# KiCad board Duet2.kicad_pcb
title: Duet 2; date: 2023-04-06; rev: 1.06; company: Duet3D; note: CERN OHL 1.2
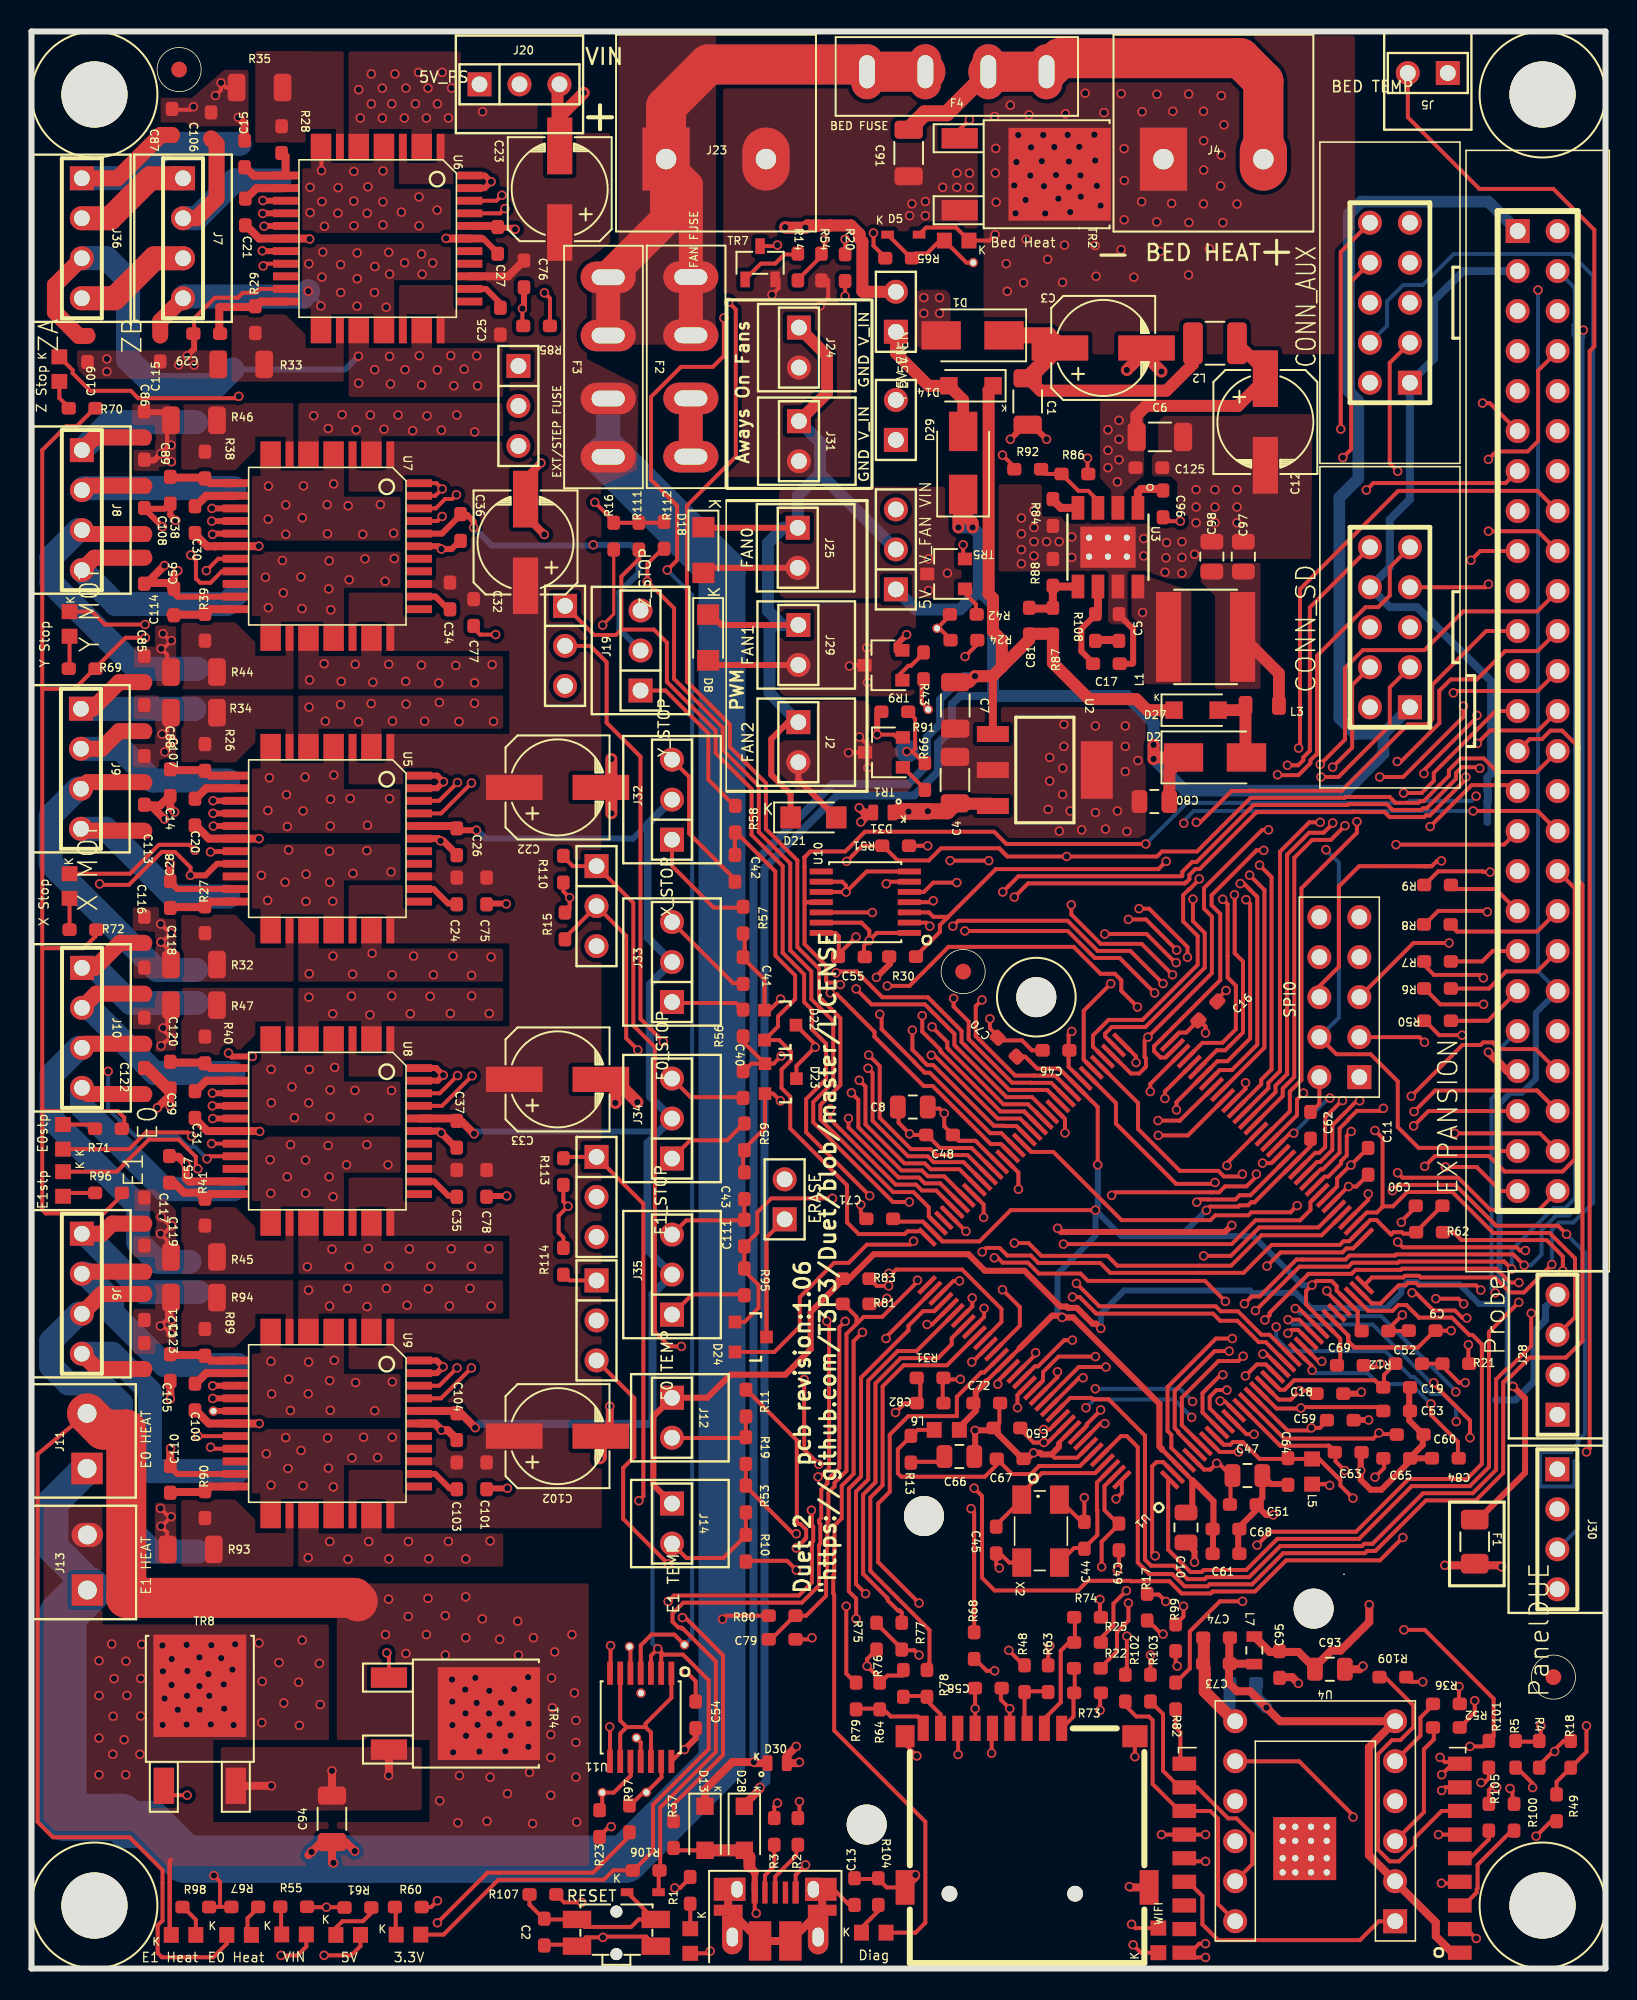
[diagram p0: board, top side]
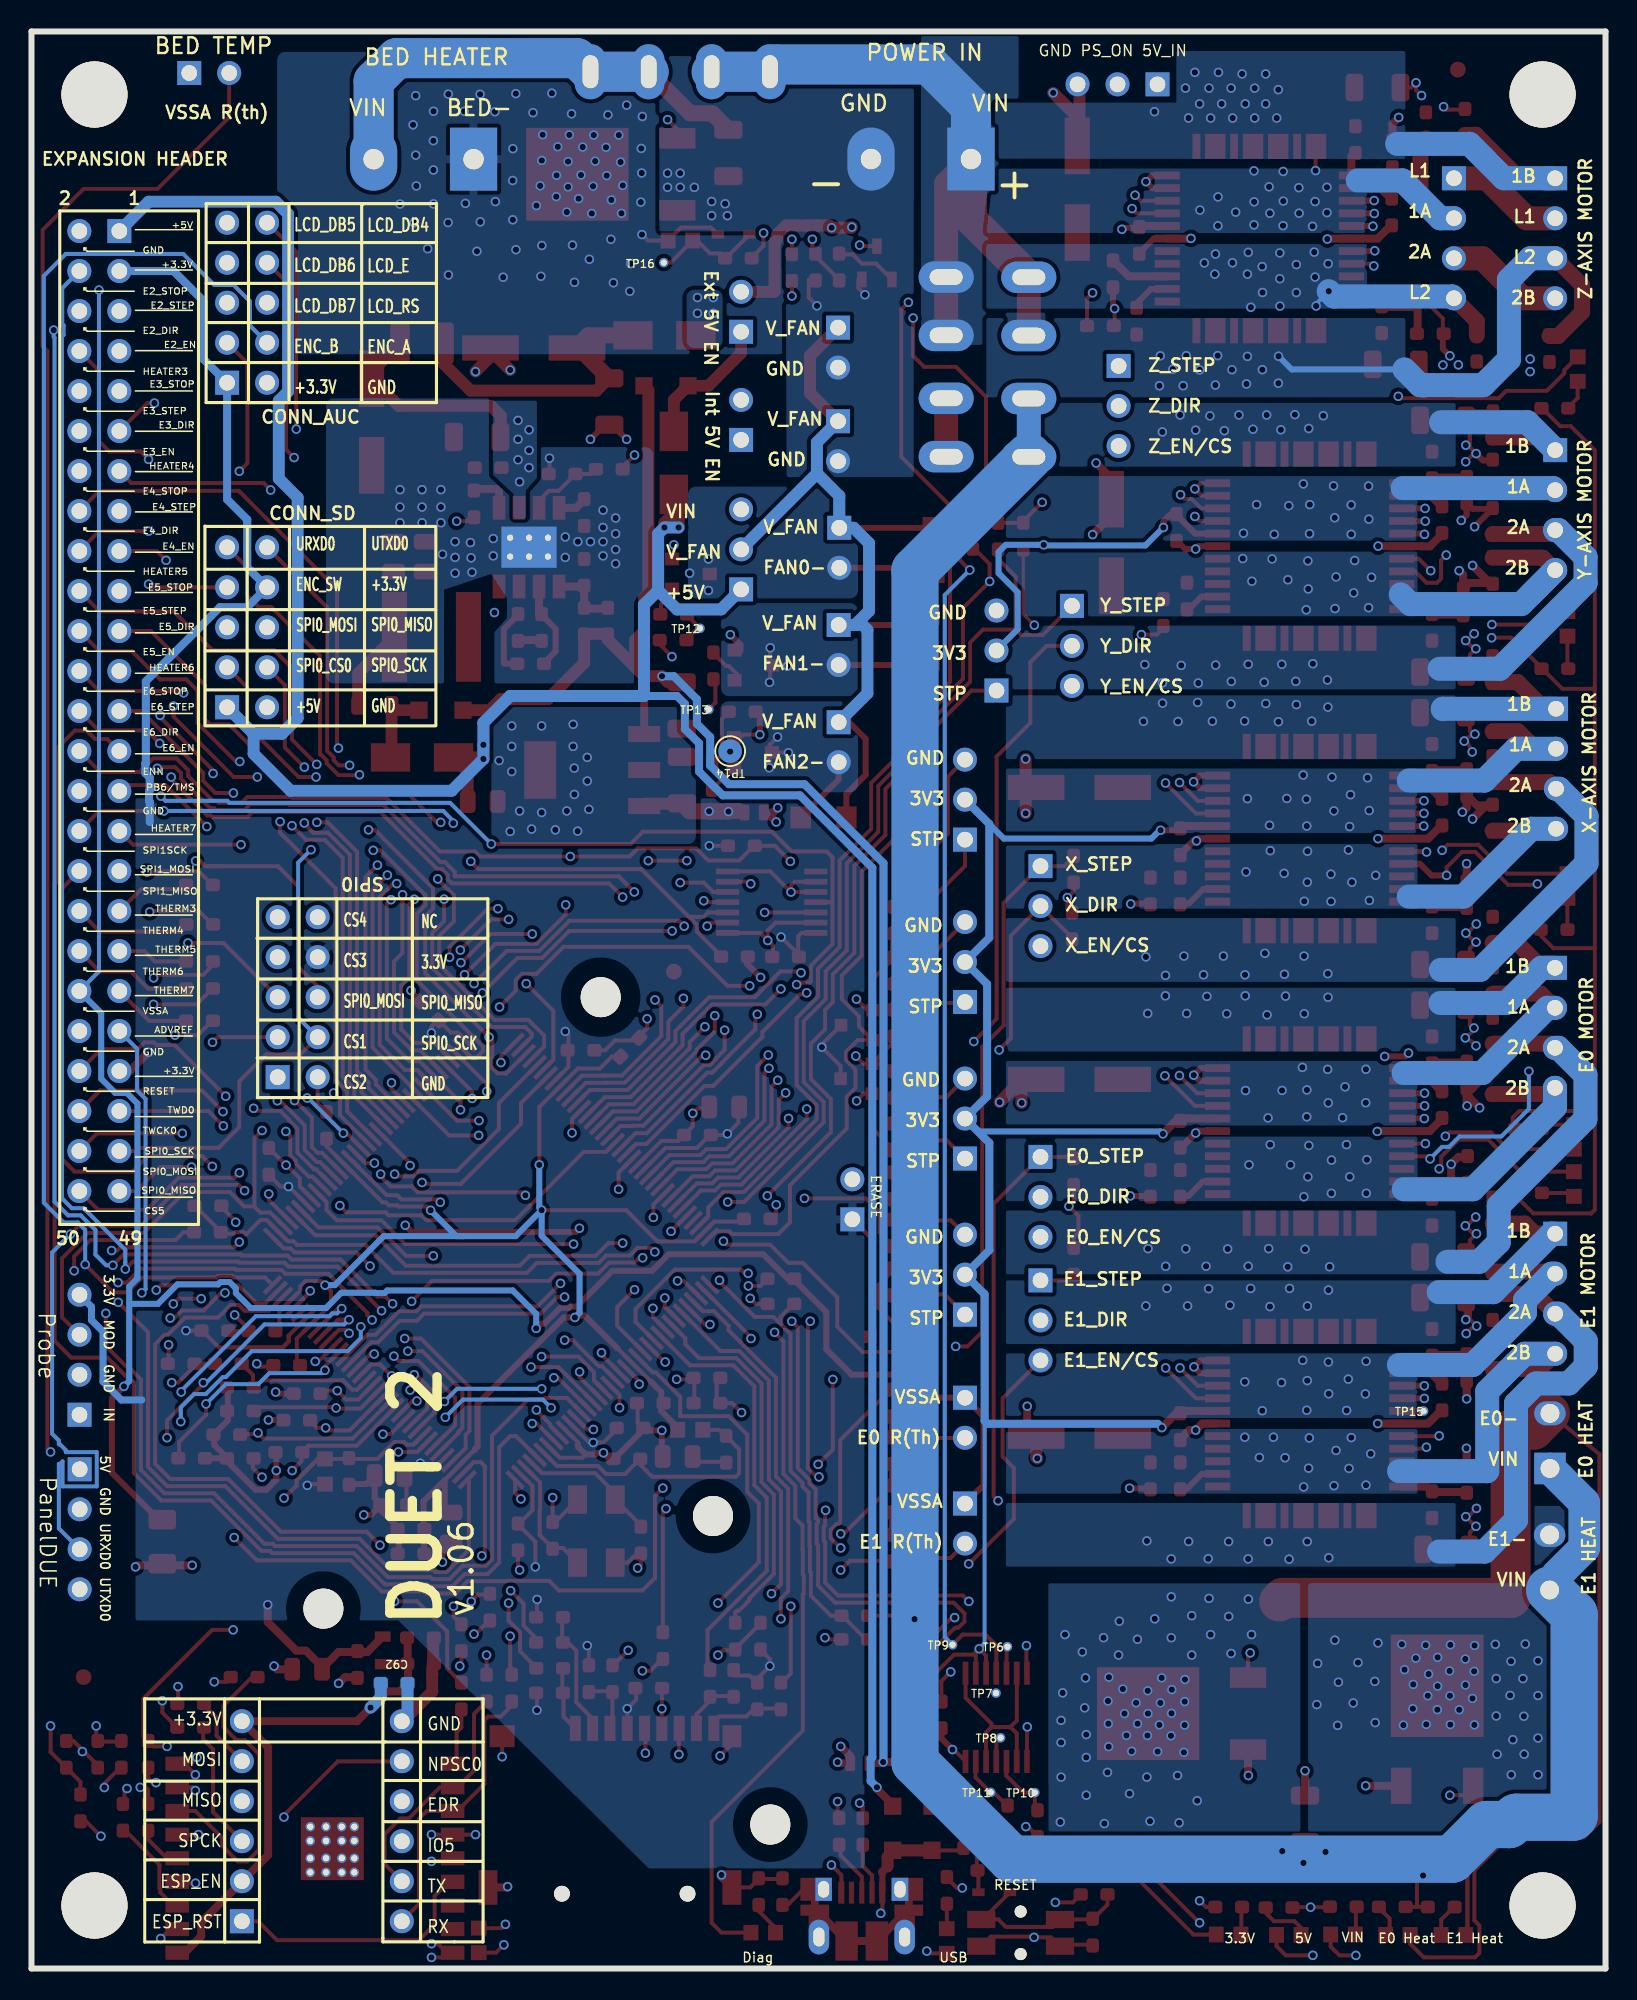
[diagram p1: board, bottom side, seen from below]

Outline 100 x 123 mm; copper layers: Top, In1.Cu, In2.Cu (plane), Bottom (plane). Coordinates in mm from the lower left corner of the outline.
Outline path: 0,123 100,123 100,0 0,0 0,123
Stack: Top 0.035mm / dielectric 0.48mm FR4 er 4.5 / In1.Cu 0.035mm / dielectric 0.48mm FR4 er 4.5 / In2.Cu 0.035mm / dielectric 0.48mm FR4 er 4.5 / Bottom 0.035mm

## Placement (name value [footprint] x y rotation side)
C1  10u X5R 10% 35V  [C_1206_3216Metric]  63.29 99.5 270 top
C2  0u01 X7R 10% 50V  [C_0603_1608Metric_Wbry]  32.58 2.31 270 top
C3  100u 35V  [C_ELEC_6.3x7.7]  68.09 102.9 180 top
C4  10u X5R 10% 35V  [C_1206_3216Metric]  58.67 75.46 90 top
C5  5n6 X7R 10% 50V  [C_0603_1608Metric_Wbry]  69.09 85.15 90 top
C6  10u X5R 10% 35V  [C_1206_3216Metric]  71.69 97.25 0 top
C7  10u X5R 10% 35V  [C_1206_3216Metric]  58.69 80.2 270 top
C8  10u X5R 10% 10V  [C_0805_2012Metric]  55.99 54.7 0 top
C9  0u1 X7R 10% 16V  [C_0603_1608Metric_Wbry]  88.35 40.5 180 top
C10  10u X5R 10% 10V  [C_0805_2012Metric]  73.35 28 270 top
C11  0u1 X7R 10% 16V  [C_0603_1608Metric_Wbry]  84.92 51.25 90 top
C12  100u 35V  [C_ELEC_6.3x7.7]  78.39 98.2 90 top
C13  0u01 X7R 10% 50V  [C_0603_1608Metric_Wbry]  52.29 4.88 90 top
C14  0u01 X7R 10% 50V  [C_0603_1608Metric_Wbry]  8.82 75.3 270 top
C15  0u01 X7R 10% 50V  [C_0603_1608Metric_Wbry]  13.54 115.23 90 top
C16  0u1 X7R 10% 16V  [C_0603_1608Metric_Wbry]  74.73 60.8 45 top
C17  DNP  [C_0603_1608Metric_Wbry]  68.29 82.85 0 top
C18  2u2 X5R 10% 35V  [C_0603_1608Metric_Wbry]  82.49 36.5 0 top
C19  2u2 X5R 10% 35V  [C_0603_1608Metric_Wbry]  86.73 36.9 0 top
C20  0u47  X5R 10%, 10V  [C_0603_1608Metric_Wbry]  10.39 73.43 270 top
C21  0u47  X5R 10%, 10V  [C_0603_1608Metric_Wbry]  13.58 111.54 270 top
C22  100u 35V  [C_ELEC_6.3x7.7]  33.42 75 180 top
C23  100u 35V  [C_ELEC_6.3x7.7]  33.56 112.98 270 top
C24  0u1 X7R 10% 50V  [C_0603_1608Metric_Wbry]  27.02 68.43 270 top
C25  0u1 X7R 10% 50V  [C_0603_1608Metric_Wbry]  29.79 104.6 90 top
C26  0u1 X7R 10% 16V  [C_0603_1608Metric_Wbry]  27.02 71.55 270 top
C27  0u1 X7R 10% 16V  [C_0603_1608Metric_Wbry]  29.62 109.73 270 top
C28  0u01 X7R 10% 50V  [C_0603_1608Metric_Wbry]  8.82 68.2 90 top
C29  0u01 X7R 10% 50V  [C_0603_1608Metric_Wbry]  11.13 103.81 180 top
C30  0u47  X5R 10%, 10V  [C_0603_1608Metric_Wbry]  10.39 92 270 top
C31  0u47  X5R 10%, 10V  [C_0603_1608Metric_Wbry]  10.39 54.86 270 top
C32  100u 35V  [C_ELEC_6.3x7.7]  31.39 90.55 270 top
C33  100u 35V  [C_ELEC_6.3x7.7]  33.42 56.46 180 top
C34  0u1 X7R 10% 50V  [C_0603_1608Metric_Wbry]  26.59 87.15 270 top
C35  0u1 X7R 10% 50V  [C_0603_1608Metric_Wbry]  27.02 49.86 270 top
C36  0u1 X7R 10% 16V  [C_0603_1608Metric_Wbry]  27.26 91.5 270 top
C37  0u1 X7R 10% 16V  [C_0603_1608Metric_Wbry]  27.02 52.98 270 top
C38  0u01 X7R 10% 50V  [C_0603_1608Metric_Wbry]  8.82 93.87 270 top
C39  0u01 X7R 10% 50V  [C_0603_1608Metric_Wbry]  8.82 56.73 270 top
C40  2n2 X7R 10% 50V  [C_0603_1608Metric_Wbry]  45.21 56.13 270 top
C41  2n2 X7R 10% 50V  [C_0603_1608Metric_Wbry]  45.21 63.37 270 top
C42  2n2 X7R 10% 50V  [C_0603_1608Metric_Wbry]  44.69 69.86 270 top
C43  2n2 X7R 10% 50V  [C_0603_1608Metric_Wbry]  45.29 49.7 270 top
C44  10p C0G/NP0 5% 50V  [C_0603_1608Metric_Wbry]  66.89 27.5 90 top
C45  10p C0G/NP0 5% 50V  [C_0603_1608Metric_Wbry]  61.29 27.2 270 top
C46  0u1 X7R 10% 16V  [C_0603_1608Metric_Wbry]  65.09 58.3 180 top
C47  10u X5R 10% 10V  [C_0805_2012Metric]  77.25 31.3 0 top
C48  0u1 X7R 10% 16V  [C_0603_1608Metric_Wbry]  57.69 52.93 0 top
C49  0u1 X7R 10% 16V  [C_0603_1608Metric_Wbry]  69.09 27.4 270 top
C50  0u1 X7R 10% 16V  [C_0603_1608Metric_Wbry]  61.97 34.32 180 top
C51  0u1 X7R 10% 16V  [C_0603_1608Metric_Wbry]  76.99 29.46 0 top
C52  0u1 X7R 10% 16V  [C_0603_1608Metric_Wbry]  85.36 40.48 0 top
C53  2u2 X5R 10% 35V  [C_0603_1608Metric_Wbry]  86.73 35.4 0 top
C54  0u1 X7R 10% 16V  [C_0603_1608Metric_Wbry]  42.2 16.1 90 top
C55  0u1 X7R 10% 16V  [C_0603_1608Metric_Wbry]  52.09 64.24 0 top
C56  0u01 X7R 10% 50V  [C_0603_1608Metric_Wbry]  9.05 86.78 90 top
C57  0u01 X7R 10% 50V  [C_0603_1608Metric_Wbry]  8.76 50.74 90 top
C58  2u2 X5R 10% 35V  [C_0603_1608Metric_Wbry]  60.79 17.8 180 top
C59  2u2 X5R 10% 35V  [C_0603_1608Metric_Wbry]  83.15 34.82 0 top
C60  2u2 X5R 10% 35V  [C_0603_1608Metric_Wbry]  87.59 33.9 0 top
C61  0u1 X7R 10% 16V  [C_0603_1608Metric_Wbry]  75.89 26.34 0 top
C62  0u1 X7R 10% 16V  [C_0603_1608Metric_Wbry]  81.26 53.54 90 top
C63  2u2 X5R 10% 35V  [C_0603_1608Metric_Wbry]  83.65 32.78 0 top
C64  0u1 X7R 10% 16V  [C_0603_1608Metric_Wbry]  79.83 31.56 270 top
C65  2u2 X5R 10% 35V  [C_0603_1608Metric_Wbry]  86.74 32.4 0 top
C66  4u7 X7R 10% 10V  [C_0805_2012Metric]  58.95 32.51 0 top
C67  0u1 X7R 10% 16V  [C_0603_1608Metric_Wbry]  62.18 32.36 0 top
C68  2u2 X5R 10% 35V  [C_0603_1608Metric_Wbry]  75.89 27.9 0 top
C69  0u1 X7R 10% 16V  [C_0603_1608Metric_Wbry]  83.79 38.3 0 top
C70  0u1 X7R 10% 16V  [C_0603_1608Metric_Wbry]  61.99 58.5 135 top
C71  0u1 X7R 10% 16V  [C_0603_1608Metric_Wbry]  53.89 47.6 180 top
C72  0u1 X7R 10% 16V  [C_0603_1608Metric_Wbry]  60.69 35.9 0 top
C73  DNP  [C_0603_1608Metric_Wbry]  75.28 19.35 180 top
C74  DNP  [C_0603_1608Metric_Wbry]  75.29 21 180 top
C75  1u X5R 10% 50V  [C_0603_1608Metric_Wbry]  28.91 68.43 270 top
C76  1u X5R 10% 50V  [C_0603_1608Metric_Wbry]  31.29 107.6 270 top
C77  1u X5R 10% 50V  [C_0603_1608Metric_Wbry]  28.09 86.1 270 top
C78  1u X5R 10% 50V  [C_0603_1608Metric_Wbry]  28.91 49.86 270 top
C79  0u01 X7R 10% 50V  [C_0603_1608Metric_Wbry]  47.69 20.9 0 top
C80  22u X5R 20% 25V  [C_0805_2012Metric]  71.34 74.1 180 top
C81  DNP  [C_0603_1608Metric_Wbry]  63.39 85.55 90 top
C82  0u1 X7R 10% 16V  [C_0603_1608Metric_Wbry]  57.09 35.9 180 top
C84  2u2 X5R 10% 35V  [C_0603_1608Metric_Wbry]  89.82 32.4 180 top
C85  1n X7R 10% 50V  [C_0603_1608Metric_Wbry]  7.17 82.48 270 top
C86  1n X7R 10% 50V  [C_0603_1608Metric_Wbry]  7.15 98.02 270 top
C87  1n X7R 10% 50V  [C_0603_1608Metric_Wbry]  8.93 117.23 270 top
C88  1n X7R 10% 50V  [C_0603_1608Metric_Wbry]  7.17 79.37 270 top
C89  1n X7R 10% 50V  [C_0603_1608Metric_Wbry]  7.17 94.96 270 top
C90  2n2 X7R 10% 50V  [C_0603_1608Metric_Wbry]  88.79 48.43 180 top
C91  10u X5R 10% 35V  [C_1206_3216Metric]  55.73 115.28 270 top
C92  DNP  [C_0603_1608Metric_Wbry]  76.96 18.11 180 bottom
C93  10u X5R 10% 10V  [C_0805_2012Metric]  82.49 19 0 top
C94  10u X5R 10% 35V  [C_1206_3216Metric]  19.09 9.5 90 top
C95  2n2 X7R 10% 50V  [C_0603_1608Metric_Wbry]  79.29 19.3 90 top
C96  0u1 X7R 10% 16V  [C_0603_1608Metric_Wbry]  71.89 93 270 top
C97  22u X5R 20% 25V  [C_0805_2012Metric]  76.99 89.65 90 top
C98  22u X5R 20% 25V  [C_0805_2012Metric]  74.99 89.65 90 top
C100  0u47  X5R 10%, 10V  [C_0603_1608Metric_Wbry]  10.39 36.29 270 top
C101  1u X5R 10% 50V  [C_0603_1608Metric_Wbry]  28.91 31.29 270 top
C102  100u 35V  [C_ELEC_6.3x7.7]  33.42 33.8 180 top
C103  0u1 X7R 10% 50V  [C_0603_1608Metric_Wbry]  27.02 31.29 270 top
C104  0u1 X7R 10% 16V  [C_0603_1608Metric_Wbry]  27.02 34.41 270 top
C105  0u01 X7R 10% 50V  [C_0603_1608Metric_Wbry]  8.82 38.16 270 top
C106  1n X7R 10% 50V  [C_0603_1608Metric_Wbry]  11.41 117.01 270 top
C107  1n X7R 10% 50V  [C_0603_1608Metric_Wbry]  7.17 76.13 270 top
C108  1n X7R 10% 50V  [C_0603_1608Metric_Wbry]  7.17 91.89 270 top
C109  1n X7R 10% 50V  [C_0603_1608Metric_Wbry]  3.56 102.86 90 top
C110  0u01 X7R 10% 50V  [C_0603_1608Metric_Wbry]  8.82 31.06 90 top
C111  2n2 X7R 10% 50V  [C_0603_1608Metric_Wbry]  45.29 46.7 90 top
C113  1n X7R 10% 50V  [C_0603_1608Metric_Wbry]  7.17 73.05 270 top
C114  1n X7R 10% 50V  [C_0603_1608Metric_Wbry]  7.17 88.78 90 top
C115  1n X7R 10% 50V  [C_0603_1608Metric_Wbry]  8.18 102.89 90 top
C116  1n X7R 10% 50V  [C_0603_1608Metric_Wbry]  7.17 65.93 270 top
C117  1n X7R 10% 50V  [C_0603_1608Metric_Wbry]  7.17 48.1 270 top
C118  1n X7R 10% 50V  [C_0603_1608Metric_Wbry]  7.17 62.7 270 top
C119  1n X7R 10% 50V  [C_0603_1608Metric_Wbry]  7.17 45.05 270 top
C120  1n X7R 10% 50V  [C_0603_1608Metric_Wbry]  7.17 59.52 270 top
C121  1n X7R 10% 50V  [C_0603_1608Metric_Wbry]  7.17 42.03 90 top
C122  1n X7R 10% 50V  [C_0603_1608Metric_Wbry]  7.17 56.33 270 top
C123  1n X7R 10% 50V  [C_0603_1608Metric_Wbry]  7.17 38.87 270 top
C125  0u1 X7R 10% 50V  [C_0603_1608Metric_Wbry]  70.99 95.3 0 top
D1  3A 40V  [D_SMA]  59.79 103.7 180 top
D2  3A 40V  [D_SMA]  75.19 76.9 0 top
D3  USB  [D_0603]  41.85 1.73 270 top
D4  Diag  [D_0603]  53.53 2.28 0 top
D5  -  [SOD-523F]  55.39 110.1 0 top
D6  Bed Heat  [D_0603]  58.76 109.72 180 top
D7  E0 Heat  [D_0603]  13.21 2.13 0 top
D8  -  [DO-219AB]  42.99 84.52 270 top
D9  Y Stop  [D_0603]  2.42 85.36 270 top
D10  Z Stop  [D_0603]  1.77 101.54 270 top
D11  E0stp  [D_0603]  2 52.83 90 top
D12  X Stop  [D_0603]  2.42 68.72 270 top
D13  1A 40V  [D_SOD-123F]  42.79 8.9 270 top
D14  1A 40V  [D_SOD-123F]  59.69 100.5 180 top
D15  VIN  [D_0603]  16.7 2.16 0 top
D16  3.3V  [D_0603]  23.97 2.15 0 top
D17  5V  [D_0603]  20.14 2.13 0 top
D18  -  [DO-219AB]  42.69 90.07 270 top
D19  E1stp  [D_0603]  2.01 49.8 270 top
D20  E1 Heat  [D_0603]  9.68 2.13 0 top
D21  -  [DO-219AB]  49.68 73.09 0 top
D22  BAT54C  [SOT-23-D]  47.57 59.9 270 top
D23  BAT54C  [SOT-23-D]  47.6 56.5 270 top
D24  BAT54C  [SOT-23-D]  45.7 40.1 270 top
D25  -  [SOD-523F]  38.84 4.84 0 top
D26  WIFI  [D_0603]  71.59 1.8 90 top
D27  1A 40V  [D_SOD-123F]  73.99 79.9 0 top
D28  1A 40V  [D_SOD-123F]  45.29 8.9 270 top
D29  3A 40V  [D_SMA]  59.19 95.6 90 top
D30  D_TVS_5V  [DFN1610-2L]  47.37 13.04 0 top
D31  D_TVS_3.3V  [DFN1610-2L]  54.09 73.4 180 top
F1  PPTC Resettable Fuse  [Fuse_1206_3216Metric]  91.69 27.1 270 top
F2  FAN FUSE  [MCCQ-122-minibladefuseholder]  41.89 107.4 270 top
F3  EXT/STEP FUSE  [MCCQ-122-minibladefuseholder]  36.64 107.39 270 top
F4  BED FUSE  [MCCQ-122-minibladefuseholder]  53.09 120.44 0 top
J1  EXPANSION  [PIN_ARRAY_25X2]  95.69 79.85 270 top
J2  FAN2  [PIN_ARRAY_2X1]  48.72 77.87 270 top
J3  5V   V_FAN VIN  [CONN_3x1]  54.92 90.11 90 top
J4  BED HEAT  [TERM_2-WAY_6.35mm]  75.09 114.89 0 top
J5  BED TEMP  [PIN_ARRAY_2X1]  88.71 120.36 180 top
J6  E1  [PIN_ARRAY_4x1]  3.2 42.85 270 top
J7  ZB  [PIN_ARRAY_4x1]  9.63 109.87 270 top
J8  Y MOT  [PIN_ARRAY_4x1]  3.2 92.61 270 top
J9  X MOT  [PIN_ARRAY_4x1]  3.14 76.18 270 top
J10  E0  [PIN_ARRAY_4x1]  3.21 59.73 270 top
J11  E0 HEAT  [3.5MM_2X1]  3.53 33.5 90 top
J12  E0 TEMP  [PIN_ARRAY_2X1]  40.69 34.97 270 top
J13  E1 HEAT  [3.5MM_2X1]  3.55 25.78 90 top
J14  E1 TEMP  [PIN_ARRAY_2X1]  40.69 28.25 270 top
J15  uSDHC  [uSD_SKT]  63.25 4.75 0 top
J16  CONN_ALT_HEADER  [CONN_ALT_HEADER_v2]  86.63 3 0 top
J19  Z_STOP  [PIN_ARRAY_3X1]  38.69 83.69 90 top
J20  5V_PS  [PIN_ARRAY_3X1]  31 119.64 0 top
J22  USB  [uUSB_new]  47.25 2 0 top
J23  VIN  [TERM_2-WAY_6.35mm]  43.49 114.9 0 top
J24  GND V_IN  [PIN_ARRAY_2X1]  48.76 102.93 270 top
J25  FAN0  [PIN_ARRAY_2X1]  48.68 90.21 270 top
J28  Probe  [PIN_ARRAY_4x1]  96.95 38.97 90 top
J29  FAN1  [PIN_ARRAY_2X1]  48.72 84.04 270 top
J30  PanelDUE  [PIN_ARRAY_4x1]  96.94 27.89 270 top
J31  GND V_IN  [PIN_ARRAY_2X1]  48.76 96.98 270 top
J32  Y_STOP  [PIN_ARRAY_3X1]  40.69 74.22 90 top
J33  X_STOP  [PIN_ARRAY_3X1]  40.69 63.91 90 top
J34  E0_STOP  [PIN_ARRAY_3X1]  40.69 53.97 90 top
J35  E1_STOP  [PIN_ARRAY_3X1]  40.69 44.06 90 top
J36  ZA  [PIN_ARRAY_4x1]  3.2 109.87 270 top
J37  SPI0  [MAX_TEMP_DB]  83.09 61.68 90 top
JP1  ERASE  [JUMPER]  47.85 48.84 90 top
JP9  I 5V EN  [JUMPER]  54.92 98.33 90 top
JP10  E 5V EN  [JUMPER]  54.92 105.2 90 top
L1  10uH 2.85A  [L_6x6]  74.59 84.55 90 top
L2  1uH, 2A+  [L_1210_3225Metric]  75.19 103.2 180 top
L3  3A  [L_0805_2012Metric]  78.19 80.2 0 top
L5  742792662  [R_0603]  81.36 31.56 270 top
L6  742792662  [R_0603]  58.15 34.2 180 top
L7  742792625  [L_0603_1608Metric]  77.69 20.2 270 top
M1  FID  [Fiducial_1mm_Dia_2.54mm_Outer_CopperTop]  96.69 18.5 0 top
M2  FID  [Fiducial_1mm_Dia_2.54mm_Outer_CopperTop]  59.19 63.3 0 top
M3  FID  [Fiducial_1mm_Dia_2.54mm_Outer_CopperTop]  9.38 120.58 0 top
M4  MOUNTING  [Fixing_M4]  96 4 0 top
M5  MOUNTING  [Fixing_M4]  4 119 0 top
M6  MOUNTING  [Fixing_M4]  4 4 0 top
M7  MOUNTING  [Fixing_M4]  96 119 0 top
P1  CONN_SD  [IDC_PIN_ARRAY_5x2]  86.3 85.17 90 top
P2  CONN_AUX  [IDC_PIN_ARRAY_5x2]  86.3 105.78 90 top
R1  2K2  [R_0603_1608Metric_Wbry]  41.85 4.96 90 top
R2  27R  [R_0603_1608Metric_Wbry]  48.69 8.7 90 top
R3  27R  [R_0603_1608Metric_Wbry]  47.19 8.7 90 top
R4  4K7  [R_0603_1608Metric_Wbry]  95.79 13.6 270 top
R5  470R  [R_0603_1608Metric_Wbry]  94.29 13.6 90 top
R6  10K  [R_0603_1608Metric_Wbry]  89.32 62.23 180 top
R7  10K  [R_0603_1608Metric_Wbry]  89.32 63.95 180 top
R8  10K  [R_0603_1608Metric_Wbry]  89.31 66.3 180 top
R9  10K  [R_0603_1608Metric_Wbry]  89.33 68.8 180 top
R10  10K  [R_0603_1608Metric_Wbry]  45.38 26.69 270 top
R11  10K  [R_0603_1608Metric_Wbry]  45.39 35.9 90 top
R12  10K  [R_0603_1608Metric_Wbry]  87.49 38.4 180 top
R13  1R  [R_0603_1608Metric_Wbry]  55.87 32.97 270 top
R14  1K  [R_0603_1608Metric_Wbry]  48.69 108.04 270 top
R15  DNP  [R_0603_1608Metric_Wbry]  33.89 66.2 90 top
R16  DNP  [R_0603_1608Metric_Wbry]  36.99 90.95 90 top
R17  2K2  [R_0603_1608Metric_Wbry]  70.88 22.95 90 top
R18  4K7  [R_0603_1608Metric_Wbry]  97.79 13.6 90 top
R19  4K7 0.1%  [R_0603_1608Metric_Wbry]  45.38 32.89 270 top
R20  180R  [R_0603_1608Metric_Wbry]  51.69 108 270 top
R21  4K7 0.1%  [R_0603_1608Metric_Wbry]  90.49 38.4 0 top
R22  220R  [R_0603_1608Metric_Wbry]  67.08 19.06 0 top
R23  180R  [R_0603_1608Metric_Wbry]  36.09 9.2 90 top
R24  10K  [R_0603_1608Metric_Wbry]  59.24 84.35 180 top
R25  220R  [R_0603_1608Metric_Wbry]  67.09 20.7 0 top
R26  22R  [R_0603_1608Metric_Wbry]  11.02 76.9 270 top
R27  22R  [R_0603_1608Metric_Wbry]  11.02 66.6 90 top
R28  22R  [R_0603_1608Metric_Wbry]  15.89 116.13 270 top
R29  22R  [R_0603_1608Metric_Wbry]  14.22 104.7 90 top
R30  68R  [R_0603_1608Metric_Wbry]  55.34 64.25 0 top
R31  47K  [R_0603_1608Metric_Wbry]  57.09 37.5 180 top
R32  0R050 0.5W  [R_1206_3216Metric]  10.32 63.75 0 top
R33  0R050 0.5W  [R_1206_3216Metric]  13.32 101.86 0 top
R34  0R050 0.5W  [R_1206_3216Metric]  10.32 79.74 0 top
R35  0R050 0.5W  [R_1206_3216Metric]  14.49 119.44 0 top
R36  100R  [R_0603_1608Metric_Wbry]  89.89 16.8 180 top
R37  27K  [R_0603_1608Metric_Wbry]  40.79 8.5 90 top
R38  22R  [R_0603_1608Metric_Wbry]  11.02 95.47 270 top
R39  22R  [R_0603_1608Metric_Wbry]  11.02 85.17 90 top
R40  22R  [R_0603_1608Metric_Wbry]  11.02 58.33 270 top
R41  22R  [R_0603_1608Metric_Wbry]  11.02 48.03 90 top
R42  1K  [R_0603_1608Metric_Wbry]  59.2 85.99 180 top
R43  1K  [R_0603_1608Metric_Wbry]  56.68 82.72 270 top
R44  0R050 0.5W  [R_1206_3216Metric]  10.32 82.32 0 top
R45  0R050 0.5W  [R_1206_3216Metric]  10.32 45.18 0 top
R46  0R050 0.5W  [R_1206_3216Metric]  10.32 98.31 0 top
R47  0R050 0.5W  [R_1206_3216Metric]  10.32 61.17 0 top
R48  220R  [R_0603_1608Metric_Wbry]  63.09 18.4 90 top
R49  470R  [R_0603_1608Metric_Wbry]  96.89 10.2 90 top
R50  10K  [R_0603_1608Metric_Wbry]  89.32 60.18 180 top
R51  10K  [R_0603_1608Metric_Wbry]  54.9 71.29 180 top
R52  100R  [R_0603_1608Metric_Wbry]  89.89 15.3 180 top
R53  4K7 0.1%  [R_0603_1608Metric_Wbry]  45.38 29.81 90 top
R54  4K7  [R_0603_1608Metric_Wbry]  50.19 108.04 270 top
R55  4K7  [R_0603_1608Metric_Wbry]  16.66 3.92 0 top
R56  10K  [R_0603_1608Metric_Wbry]  45.21 60.04 90 top
R57  10K  [R_0603_1608Metric_Wbry]  45.21 66.57 90 top
R58  10K  [R_0603_1608Metric_Wbry]  44.71 72.98 90 top
R59  10K  [R_0603_1608Metric_Wbry]  45.29 52.81 90 top
R60  180R  [R_0603_1608Metric_Wbry]  23.94 3.9 0 top
R61  2K2  [R_0603_1608Metric_Wbry]  20.74 3.87 180 top
R62  10K  [R_0603_1608Metric_Wbry]  88.82 46.75 0 top
R63  10K  [R_0603_1608Metric_Wbry]  64.59 18.4 90 top
R64  10K  [R_0603_1608Metric_Wbry]  53.89 17.3 90 top
R65  4K7  [R_0603_1608Metric_Wbry]  55.09 108.6 180 top
R66  1K  [R_0603_1608Metric_Wbry]  56.76 75.69 90 top
R67  4K7  [R_0603_1608Metric_Wbry]  13.55 3.91 180 top
R68  100R  [R_0603_1608Metric_Wbry]  59.89 20.5 90 top
R69  1K  [R_0603_1608Metric_Wbry]  3.22 82.54 0 top
R70  1K  [R_0603_1608Metric_Wbry]  3.22 99.08 0 top
R71  1K  [R_0603_1608Metric_Wbry]  4.89 53.32 0 top
R72  1K  [R_0603_1608Metric_Wbry]  3.27 65.97 0 top
R73  DNP  [R_0603_1608Metric_Wbry]  67.09 17.5 0 top
R74  DNP  [R_0603_1608Metric_Wbry]  67.09 22.3 0 top
R75  DNP  [R_0603_1608Metric_Wbry]  53.69 21.1 270 top
R76  DNP  [R_0603_1608Metric_Wbry]  55.39 18.1 90 top
R77  220R  [R_0603_1608Metric_Wbry]  55.29 21.1 90 top
R78  220R  [R_0603_1608Metric_Wbry]  56.89 18.1 90 top
R79  220R  [R_0603_1608Metric_Wbry]  52.39 17.3 90 top
R80  47K  [R_0603_1608Metric_Wbry]  47.69 22.4 0 top
R81  4K7  [R_0603_1608Metric_Wbry]  52.39 42.2 0 top
R82  1K  [R_0603_1608Metric_Wbry]  72.69 17.3 270 top
R83  10K  [R_0603_1608Metric_Wbry]  52.39 43.8 0 top
R84  200K  [R_0603_1608Metric_Wbry]  64.89 92.45 270 top
R85  DNP  [R_0603_1608Metric_Wbry]  32.09 104.3 180 top
R86  14K  [R_0603_1608Metric_Wbry]  66.29 94.9 0 top
R87  52K3  [R_0603_1608Metric_Wbry]  64.89 85.55 90 top
R88  10K  [R_0603_1608Metric_Wbry]  64.89 88.65 90 top
R89  22R  [R_0603_1608Metric_Wbry]  11.02 39.76 270 top
R90  22R  [R_0603_1608Metric_Wbry]  11.02 29.46 90 top
R91  10K  [R_0603_1608Metric_Wbry]  54.85 79.8 0 top
R92  68K1  [R_0603_1608Metric_Wbry]  63.29 95.2 0 top
R93  0R050 0.5W  [R_1206_3216Metric]  10.12 26.61 0 top
R94  0R050 0.5W  [R_1206_3216Metric]  10.32 42.6 0 top
R95  10K  [R_0603_1608Metric_Wbry]  45.29 43.6 270 top
R96  1K  [R_0603_1608Metric_Wbry]  4.89 49.25 0 top
R97  180R  [R_0603_1608Metric_Wbry]  37.99 9.5 90 top
R98  4K7  [R_0603_1608Metric_Wbry]  10.44 3.9 0 top
R99  1K  [R_0603_1608Metric_Wbry]  72.69 21 90 top
R100  100R  [R_0603_1608Metric_Wbry]  94.19 9.6 90 top
R101  100R  [R_0603_1608Metric_Wbry]  92.59 13.6 90 top
R102  1K  [R_0603_1608Metric_Wbry]  69.49 17.8 90 top
R103  470R  [R_0603_1608Metric_Wbry]  71.09 17.8 90 top
R104  2K2  [R_0603_1608Metric_Wbry]  53.8 4.88 270 top
R105  100R  [R_0603_1608Metric_Wbry]  92.59 9.6 90 top
R106  10K  [R_0603_1608Metric_Wbry]  39.05 6.22 180 top
R107  100R  [R_0603_1608Metric_Wbry]  32.49 4.7 0 top
R108  14K  [R_0603_1608Metric_Wbry]  67.59 85.15 270 top
R109  180R  [R_0603_1608Metric_Wbry]  86.49 18.5 180 top
R110  4K7  [R_0603_1608Metric_Wbry]  33.79 69.8 270 top
R111  4K7  [R_0603_1608Metric_Wbry]  38.59 90.95 90 top
R112  4K7  [R_0603_1608Metric_Wbry]  40.19 91 90 top
R113  4K7  [R_0603_1608Metric_Wbry]  33.79 50.6 270 top
R114  4K7  [R_0603_1608Metric_Wbry]  33.79 44.9 90 top
S1  RESET  [SW_SIDE_1_lugs]  37.16 2.27 0 top
TP1  Z_Stp_Tp  [CONN_3x1]  30.93 99.22 270 top
TP2  Y_Stp_Tp  [CONN_3x1]  33.9 83.99 270 top
TP3  X_Stp_Tp  [CONN_3x1]  35.9 67.46 270 top
TP4  E0_Stp_Tp  [CONN_3x1]  35.9 49 270 top
TP5  Z_Stp_Tp  [CONN_3x1]  35.9 41.15 270 top
TP6  TP  [TP_via]  37.98 20.45 0 top
TP7  TP  [TP_via]  38.7 17.5 0 top
TP8  TP  [TP_via]  38.41 14.66 0 top
TP9  TP  [TP_via]  41.47 20.57 0 top
TP10  TP  [TP_via]  36.24 11.18 0 top
TP11  TP  [TP_via]  39.04 11.2 0 top
TP12  FAN0  [TP_via]  57.51 85.11 0 top
TP13  FAN1  [TP_via]  56.95 79.96 0 top
TP14  FAN2  [TestPoint_Pad_D1.5mm]  55.61 77.3 180 bottom